# Altium PCB 28Pin-Project-V1I1-PCB.PcbDoc (part 2 of 2)
Units mm, origin at the board's own origin, x right, y up, seen from the top; angles counter-clockwise.
Board outline 68.58 x 53.34 mm, 2 copper layers (L1, L2), stack 1.671 mm thick; 106 components, 71 nets, 323 pads, 103 vias.
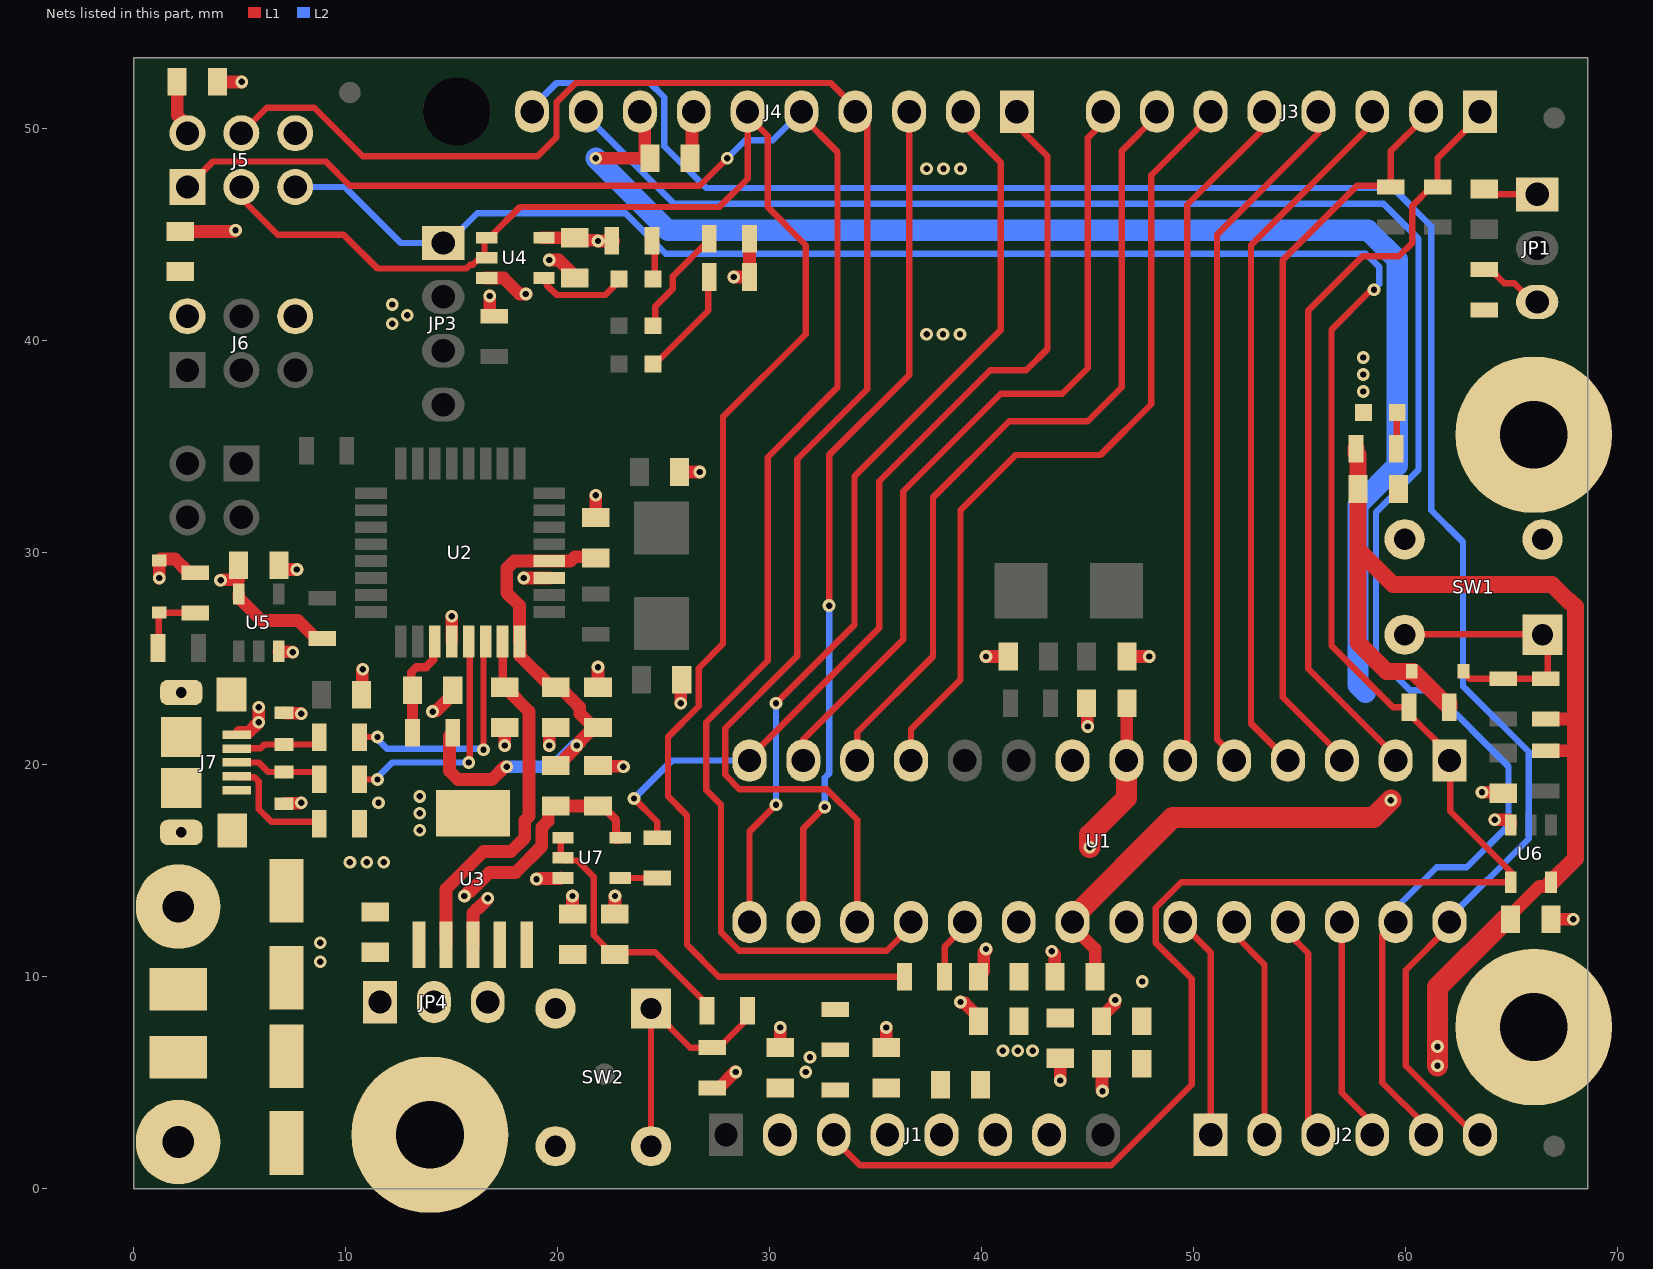
[diagram p2: the nets of this part, all layers, seen from the top]

## Via types
v1: diameter 0.6, hole 0.3, L1 to L2, tented both sides, 103 vias

## Nets (pads, with @x,y where several pads share a name; then routed paths per layer and width w, separated by ;. In a path a pad name is that pad's centre, name@x,y a point inside that pad or via, vN(x,y) a via of type N, cw(c..) or ccw(c..) an arc to the next point about the centre after c; other vN are vias at no path point) (continued)
328P_RESETn: J1.3 J5.5 JP3.1 R14.1 U1.1 U6.4 | length 133.3
  L1 w0.3: J1.3@33.02,2.54 33.02,2.34 34.26,1.1 46.106,1.1 49.9,4.894 49.9,9.9 48.215,11.585 48.215,13.25 49.415,14.45 U6.4@64.95,14.45 64.95,14.95 62.1,17.8 62.1,20.158 U1.1@62.065,20.193 62.065,20.485 60.15,22.4 R14.1@60.15,22.7 59.4,22.7 56.5,25.6 56.5,40.519 58.381,42.4 v1(58.5,42.4)
  L2 w0.3: J5.5@7.62,47.244 9.956,47.244 12.6,44.6 JP3.1@14.6,44.6 14.8,44.6 16.2,46 23.198,46 25.098,44.1 58.119,44.1 58.75,43.469 58.75,42.65 v1(58.5,42.4)
+3V3: C13.2 C16.2 J1.4 JP4.3 R28.2 U3.4 U3.5
+3V3_16U2_UCAP: C7.1 R26.1 U2.27 | length 5
  L1 w0.4: C7.1@13.15,23.5 13.1,23.55 13.1,24.366 13.334,24.6 13.791,24.6 14.125,24.934 14.125,25.725 U2.27@14.2,25.8
  L1 w0.5: R26.1@13.15,21.5 C7.1@13.15,23.5
+5V: C2.1 C6.2 C12.2 C14.2 J1.5 J8.1 JP4.1 L1.2 R27.1 U2.31 U3.1 U3.2 | length 17.2
  L1 w0.4: C6.2@17.4,23.8 U2.31@17.4,25.8
  L1 w0.6: U3.2@14.73,11.5 14.73,14.13 16.5,15.9 17.8,15.9 18.45,16.55 18.45,17.363 18.65,17.563 18.65,22.507 17.55,23.607 17.55,23.65 C6.2@17.4,23.8
+5V/3V3: C8.2 C15.2 C17.2 C26.2 C28.2 C29.2 C30.2 C34.2 D5.1 D6.1 FB1.1 FB2.1 FB3.1 J1.2 J5.2 J6.2 JP4.2 R1.2 R2.1 R3.1 R4.2 R14.2 R15.1 R17.1 R18.2 R19.2 R20.2 R21.2 R27.2 R28.1 U4.5 U5.5 U6.5 U7.5 | length 86.6
  L1 w0.4: C29.2@22.1,18.05 22.75,17.4 U7.5@22.75,16.575
  L1 w0.6: v1(1.2,28.8) D5.1@1.2,29.619 1.279,29.699 1.799,29.699 1.8,29.7 1.95,29.7 2.6,29.05 R19.2@2.9,29.05 ; C17.2@2.05,52.2 2.05,50.626 2.54,50.136 J5.2@2.54,49.784 ; v1(4.1,28.7) 4.125,28.725 4.95,28.725 ; U5.5@4.95,28.05 4.95,27.875 6.025,26.8 7.75,26.8 8.6,25.95 R4.2@8.9,25.95 ; v1(15.6,13.8) 15.8,14 15.869,14 16.784,14.916 18.016,14.916 19.25,16.15 19.25,17.032 19.55,17.332 19.55,17.9 19.7,18.05 FB1.1@19.9,18.05 C29.2@21.9,18.05 C29.2@22.1,18.05 ; v1(16.8,42.1) 16.8,41.3 16.95,41.15 R1.2@17,41.15 ; U4.5@19.25,44.85 U4.5@19.35,44.85 C26.2@20.8,44.85 20.9,44.85 21.012,44.738 21.862,44.738 v1(21.9,44.7) R15.1@22.55,44.7 R15.1@22.65,44.7 ; U7.5@22.75,16.575 22.775,16.55 U7.5@22.95,16.55 ; R21.2@27.3,4.75 27.6,4.75 28.35,5.5 v1(28.4,5.5) ; v1(28.3,43) R3.1@29.05,43 R2.1@29.05,44.8 ; v1(43.7,5.1) FB3.1@43.7,6.15 ; FB2.1@45.65,5.9 45.675,5.875 45.675,4.625 v1(45.7,4.6) ; C28.2@64.7,12.7 C28.2@64.95,12.7 64.95,12.9 66.3,14.25 66.825,14.25 66.85,14.275 U6.5@66.85,14.45 ; R18.2@66.9,20.65 68,20.65 68.1,20.65 ; R20.2@66.9,22.15 68,22.15 68.1,22.15
  L1 w0.8: R17.1@57.65,34.9 57.65,34.7 57.75,34.6 C34.2@57.75,33 57.75,30.15 ; R14.2@62.05,22.7 62.05,22.9 62,22.95 61.8,22.95 60.35,24.4 D6.1@60.281,24.4 59.1,24.4 57.75,25.75 57.75,30.15 ; U6.5@66.85,14.45 66.875,14.45 68,15.575 68,20.65 68,22.15 68,27.449 67.749,27.7 67.7,27.7 66.9,28.5 59.4,28.5 57.75,30.15
  L1 w1: v1(61.5,5.8) v1(61.5,6.7) 61.5,9.5 C28.2@64.7,12.7
  other v1: 31.7,5.5 31.9,6.2 12.2,40.8 12.9,41.2 12.2,41.7
+5V/3V3_16U2: C3.2 C4.2 C5.2 FB1.2 R26.2 U2.4 U2.32 | length 25.5
  L1 w0.6: R26.2@15.05,21.5 14.9,21.35 14.9,19.7 15.3,19.3 16.9,19.3 17.5,19.9 v1(17.6,19.9) ; FB1.2@19.8,19.95 FB1.2@19.9,19.95 20,19.95 20.9,20.85 v1(20.9,20.9) 21.05,21.05 21.05,21.1 C4.2@21.7,21.75 ; C5.2@21.8,29.7 21.7,29.8 20.8,29.8 20.6,29.6 U2.4@19.6,29.6 17.951,29.6 17.6,29.249 17.6,28.1 18.2,27.5 U2.32@18.2,25.8 18.225,25.775 18.225,25.125 19.7,23.65 C3.2@19.9,23.65 20.1,23.65 20.674,23.076 20.674,23.069 21.043,22.7 21.043,22.407 C4.2@21.7,21.75 ; C4.2@21.9,21.75 C4.2@21.7,21.75
  L2 w0.6: v1(17.6,19.9) 19.8,19.9 20.8,20.9 v1(20.9,20.9)
+5V/3V3_328P_AVCC: C22.2 C23.2 FB3.2 U1.20
+5V/3V3_328P_VCC: C19.2 C20.2 FB2.2 U1.7 | length 7.5
  L1 w0.6: U1.7@46.837,20.206 C20.2@46.837,22.887
  L1 w1: v1(45.1,16.1) 45.1,16.7 46.825,18.425 U1.7@46.825,20.193 U1.7@46.837,20.206
  other v1: 47.569,9.769
+5V_USB: C1.1 J7.1 L1.1 | length 1.8
  L1 w0.6: J7.1@4.98,21.52 5.42,21.52 v1(5.9,22) v1(5.9,22.7)
  other v1: 8.8,10.7 8.8,11.6
+AREF: C21.2 C24.2 J4.8 U1.21 | length 86.8
  L1 w0.6: v1(21.8,48.6) C21.2@24.35,48.6 24.106,48.844 24.106,50.57 J4.8@23.876,50.8 ; U1.21@44.285,12.573 44.285,12.373 45.35,11.308 C24.2@45.35,10
  L1 w1: U1.21@44.285,12.573 44.285,12.773 49.012,17.5 58.475,17.5 v1(59.3,18.325)
  L2 w0.5: 58.1,23.4 58.275,23.225
  L2 w1: v1(21.8,48.6) 25.2,45.2 58.221,45.2 59.6,43.821 59.6,34.102 57.75,32.252 57.75,23.75 58.1,23.4
AD0: J2.1 U1.23 | length 10.6
  L1 w0.3: U1.23@49.365,12.573 50.8,11.138 J2.1@50.8,2.54
AD1: J2.2 U1.24 | length 10.6
  L1 w0.3: U1.24@51.905,12.573 51.905,11.995 53.34,10.56 J2.2@53.34,2.54
AD2: J2.3 U1.25 | length 10.6
  L1 w0.3: U1.25@54.445,12.573 54.445,12.055 55.4,11.1 55.4,3.02 J2.3@55.88,2.54
AD3: J2.4 U1.26 | length 10.6
  L1 w0.3: U1.26@56.985,12.573 56.985,4.515 58.42,3.08 J2.4@58.42,2.54
AD4/SDA: J2.5 J4.9 U1.27 | length 92.3
  L1 w0.3: U1.27@59.525,12.573 58.9,11.948 58.9,5 60.96,2.94 J2.5@60.96,2.54
  L2 w0.3: J4.9@21.336,50.8 21.336,50.6 25.486,46.45 58.95,46.45 60.6,44.8 60.6,33.9 58.6,31.9 58.6,25.1 60.2,23.5 61.262,23.5 64.85,19.912 64.85,17.131 62.884,15.164 61.464,15.164 59.525,13.225 U1.27@59.525,12.573
AD5/SCL: J2.6 J4.10 U1.28 | length 96
  L1 w0.3: U1.28@62.065,12.573 62.065,12.373 60,10.308 60,5.8 63.26,2.54 J2.6@63.5,2.54
  L2 w0.3: J4.10@18.796,50.8 18.796,51 19.946,52.15 24.352,52.15 25.026,51.476 25.026,49.174 27,47.2 59.4,47.2 61.2,45.4 61.2,32 62.7,30.5 62.7,23.7 65.8,20.6 65.8,16.508 62.065,12.773 U1.28@62.065,12.573
BUTTON_RESETn: D6.2 R20.1 R24.1 SW1.1 SW1.2 | length 13.1
  L1 w0.3: SW1.2@60.05,26.15 SW1.1@66.55,26.15 ; D6.2@62.719,24.4 62.719,24.336 63.006,24.05 R24.1@64.6,24.05 R20.1@66.6,24.05 66.9,24.05 66.7,24.25 66.7,25.9 SW1.1@66.95,26.15
CON_USB_N: J7.2 R6.1 Z1.2 | length 4.1
  L1 w0.3: J7.2@4.87,20.75 4.892,20.772 5.995,20.772 6.172,20.95 Z1.2@7.1,20.95 8.45,20.95 8.65,21.15 R6.1@8.65,21.3
CON_USB_P: J7.3 R7.1 Z2.2 | length 4.2
  L1 w0.3: J7.3@4.87,20.1 5.9,20.1 6.35,19.65 Z2.2@7.1,19.65 8.45,19.65 8.65,19.45 R7.1@8.65,19.3
GND: C1.2 C2.2 C3.1 C4.1 C5.1 C6.1 C7.2 C8.1 C9.1 C10.1 C12.1 C13.1 C14.1 C15.1 C16.1 C17.1 C19.1 C20.1 C21.1 C22.1 C23.1 C24.1 C25.1 C26.1 C27.1 C28.1 C29.1 C30.1 C31.1 C32.1 C33.1 C34.1 D1.1 J1.6 J1.7 J4.7 J5.6 J6.6 J7.5 J7.6 J7.7 J7.8 J7.9 J7.10 J7.11 J9.1 MH1.1 MH2.1 MH3.1 R8.2 R12.1 SW1.3 SW1.4 SW2.3 SW2.4 U1.8 U1.22 U2.3 U2.28 U3.3 U3.6 U4.3 U5.3 U6.3 U7.3 Z1.1 Z2.1 | length 44.6
  L1 w0.6: C8.1@2.2,45.15 4.75,45.15 v1(4.8,45.2) ; C17.1@3.95,52.2 v1(5.1,52.2) ; U5.3@6.85,25.35 6.875,25.325 7.475,25.325 v1(7.5,25.3) ; C30.1@6.85,29.4 7.05,29.2 v1(7.7,29.2) ; Z2.1@7.1,18.15 7.125,18.175 7.875,18.175 v1(7.9,18.2) ; Z1.1@7.1,22.45 7.125,22.425 7.875,22.425 v1(7.9,22.4) ; C31.1@10.75,23.3 10.775,23.325 10.775,24.475 v1(10.8,24.5) ; v1(14.1,22.5) 14.138,22.538 14.288,22.538 15.05,23.3 C7.2@15.05,23.5 ; U2.28@15,25.8 v1(15,27) ; U3.3@16,11.5 16,13 16.2,13.2 16.231,13.2 16.7,13.669 v1(16.7,13.7) ; U4.3@16.55,42.95 U4.3@16.65,42.95 17.45,42.95 18.2,42.2 v1(18.5,42.2) ; v1(17.5,20.9) 17.5,21.65 C6.1@17.6,21.75 ; v1(18.4,28.8) U2.3@19.6,28.8 ; v1(19,14.6) 19.131,14.6 19.156,14.625 20.125,14.625 U7.3@20.15,14.65 ; v1(19.6,20.9) 19.6,21.55 C3.1@19.8,21.75 ; v1(19.6,43.8) 20.05,43.8 C26.1@20.9,42.95 ; C13.1@20.7,12.95 v1(20.7,13.8) ; C5.1@21.8,31.65 v1(21.8,32.7) ; C29.1@21.9,19.95 21.925,19.925 23.075,19.925 v1(23.1,19.9) ; C4.1@21.9,23.65 v1(21.9,24.6) ; C33.1@22.7,12.95 v1(22.7,13.8) ; C9.1@25.75,33.8 v1(26.7,33.8) ; v1(25.8,22.9) 25.8,23.95 C10.1@25.85,24 ; C21.1@26.25,48.6 26.333,48.683 26.333,50.717 J4.7@26.416,50.8 ; C15.1@30.5,6.65 v1(30.5,7.6) ; C16.1@35.5,6.65 v1(35.5,7.6) ; v1(39,8.8) 39.038,8.762 39.188,8.762 39.85,8.1 C22.1@39.85,7.9 ; C23.1@39.85,10 40.1,10.25 40.1,11.146 40.2,11.246 v1(40.2,11.3) ; v1(40.2,25.1) C25.1@41.25,25.1 ; v1(43.3,11.2) 43.45,11.05 C24.1@43.45,10 ; C20.1@44.95,22.9 44.975,22.875 44.975,21.825 v1(45,21.8) ; C19.1@45.65,7.9 45.65,8.1 46.262,8.712 46.262,8.862 v1(46.3,8.9) ; C27.1@46.85,25.1 v1(47.9,25.1) ; v1(63.6,18.7) 64.85,18.7 C32.1@64.9,18.65 ; v1(64.2,17.4) 64.875,17.4 64.95,17.325 U6.3@64.95,17.15 ; C28.1@66.85,12.7 v1(67.9,12.7)
  other v1: 41,6.5 41.7,6.5 42.4,6.5 10.2,15.4 11,15.4 11.8,15.4 13.5,16.9 13.5,17.7 11.55,18.2 13.5,18.5 58,37.6 58,38.4 58,39.2 37.4,40.3 38.175,40.3 38.975,40.3 37.4,48.1 38.2,48.1 39,48.1
IO0: J3.1 R10.2 U1.2 | length 36.9
  L1 w0.3: U1.2@59.525,20.193 59.525,20.393 55.4,24.518 55.4,41.419 57.959,43.978 59.678,43.978 60.3,44.6 60.3,46.35 61.2,47.25 R10.2@61.5,47.25 61.5,48.6 63.5,50.6 J3.1@63.5,50.8
IO1: J3.2 R11.2 U1.3 | length 35.5
  L1 w0.3: U1.3@56.985,20.193 56.985,20.393 54.2,23.178 54.2,43.8 57.7,47.3 59.3,47.3 59.3,48.94 60.96,50.6 J3.2@60.96,50.8
IO2: J3.3 U1.4 | length 33.7
  L1 w0.3: U1.4@54.445,20.193 52.7,21.938 52.7,44.5 58.42,50.22 J3.3@58.42,50.8
IO3: J3.4 U1.5 | length 32.9
  L1 w0.3: U1.5@51.905,20.193 51.905,20.393 51.1,21.198 51.1,45 55.88,49.78 J3.4@55.88,50.8
IO4: J3.5 U1.6 | length 32.3
  L1 w0.3: U1.6@49.365,20.193 49.7,20.528 49.7,46.4 53.34,50.04 J3.5@53.34,50.8
IO5: J3.6 U1.11 | length 38.8
  L1 w0.3: U1.11@36.665,20.193 36.665,21.665 39,24 39,32 41.6,34.6 45.6,34.6 48,37 48,47.8 50.8,50.6 J3.6@50.8,50.8
IO6: J3.7 U1.12 | length 38.6
  L1 w0.3: U1.12@34.125,20.193 34.125,21.525 37.7,25.1 37.7,32.6 41.3,36.2 45,36.2 46.6,37.8 46.6,48.94 48.26,50.6 J3.7@48.26,50.8
IO7: J3.8 U1.13 | length 38.2
  L1 w0.3: U1.13@31.585,20.193 31.585,21.185 36.3,25.9 36.3,32.9 40.9,37.5 43.8,37.5 45,38.7 45,49.552 45.72,50.272 J3.8@45.72,50.8
IO8: J4.1 R22.2 U1.14 | length 46.5
  L1 w0.3: v1(23.6,18.4) 24.7,17.3 R22.2@24.7,16.55 ; U1.14@29.045,20.193 29.045,20.326 35.165,26.446 35.165,33.365 40.4,38.6 42.1,38.6 43.1,39.6 43.1,48.7 41.656,50.144 J4.1@41.656,50.8
  L2 w0.3: v1(23.6,18.4) 25.393,20.193 U1.14@29.045,20.193
IO9: J4.2 U1.15 | length 43.9
  L1 w0.3: U1.15@29.045,12.573 29.045,16.845 v1(30.3,18.1) ; v1(30.3,22.9) 34,26.6 34,33.6 40.9,40.5 40.9,48.4 39.116,50.184 J4.2@39.116,50.8
  L2 w0.3: v1(30.3,18.1) v1(30.3,22.9)
MISO: J4.5 J5.1 U1.18 | length 83.6
  L1 w0.3: J5.1@2.54,47.244 3.74,48.444 9.056,48.444 10.2,47.3 26.7,47.3 v1(28,48.6) ; J4.5@31.496,50.8 31.496,50.6 33.2,48.896 33.2,37.8 29.9,34.5 29.9,24.9 27,22 27,18.8 27.7,18.1 27.7,12.092 28.569,11.223 35.515,11.223 36.665,12.373 U1.18@36.665,12.573
  L2 w0.3: v1(28,48.6) 28.85,49.45 30.146,49.45 J4.5@31.496,50.8
MOSI: J4.4 J5.4 U1.17 | length 79.7
  L1 w0.3: J5.4@5.08,49.784 6.28,50.984 8.516,50.984 10.8,48.7 19.05,48.7 19.946,49.596 19.946,51.236 20.86,52.15 32.886,52.15 34.036,51 J4.4@34.036,50.8 34.6,50.236 34.6,37.7 31.3,34.4 31.3,25.119 27.895,21.714 27.895,19.517 28.569,18.843 32.676,18.843 34.125,17.394 U1.17@34.125,12.573
NetC11_2: C11.2 JP1.1 | length 2.6
  L1 w0.3: C11.2@63.7,47.15 63.95,46.9 JP1.1@66.2,46.9
NetD1_2: D1.2 R17.2 | length 1.7
  L1 w0.3: R17.2@59.55,34.9 59.575,34.925 59.575,36.575 D1.2@59.6,36.6
NetD2_1: D2.1 U4.4 | length 4.6
  L1 w0.3: U4.4@19.25,42.95 U4.4@19.35,42.95 19.475,42.95 19.475,42.625 19.95,42.15 22.25,42.15 D2.1@23,42.9
NetD2_2: D2.2 R15.2 | length 1.8
  L1 w0.3: R15.2@24.55,44.7 24.575,44.675 24.575,42.925 D2.2@24.6,42.9
NetD3_2: D3.2 R2.2 | length 5.2
  L1 w0.3: D3.2@24.6,40.7 24.6,41.605 25.425,42.43 25.425,43.025 R2.2@27.2,44.8
NetD4_2: D4.2 R3.2 | length 5.1
  L1 w0.3: D4.2@24.6,38.9 27.1,41.4 R3.2@27.1,43
NetD5_2: D5.2 R19.1 R23.1 | length 3.4
  L1 w0.3: R23.1@1.15,25.5 1.175,25.525 1.175,27.156 D5.2@1.2,27.181 1.215,27.165 2.885,27.165 R19.1@2.9,27.15
NetJ7_4: J7.4 R8.1 | length 5.4
  L1 w0.3: J7.4@4.87,19.45 4.92,19.4 5.7,19.4 5.9,19.2 5.9,17.9 6.5,17.3 R8.1@8.65,17.3
NetJP1_3: JP1.3 R12.2 | length 3.1
  L1 w0.3: R12.2@63.7,43.35 64,43.35 64.646,42.704 65.116,42.704 66,41.82 JP1.3@66.2,41.82
NetR22_1: R22.1 U7.4 | length 1.8
  L1 w0.3: U7.4@22.85,14.65 R22.1@24.7,14.65
SCK: J4.6 J5.3 R13.2 U4.1 U4.2 | length 85.4
  L1 w0.3: J5.3@5.08,47.244 5.08,46.72 6.8,45 9.9,45 11.5,43.4 15.695,43.4 15.87,43.575 16,43.575 16.325,43.9 16.55,43.9 16.55,44.85 U4.1@16.65,44.85 16.775,44.85 18.225,46.3 27.619,46.3 28.956,47.637 J4.6@28.956,50.6 ; J4.6@28.956,50.8 J4.6@28.956,50.6 ; R13.2@36.35,10 27.6,10 26.1,11.5 26.1,17.6 25.2,18.5 25.2,21.3 26.65,22.75 26.65,24.55 27.8,25.7 27.8,36.4 31.7,40.3 31.7,44.5 29.9,46.3 29.9,49.656 J4.6@28.956,50.6
SCK_R: R13.1 U1.19 | length 3
  L1 w0.3: R13.1@38.25,10 38.25,11.418 39.205,12.373 U1.19@39.205,12.573
SS: J4.3 U1.16 | length 40.3
  L1 w0.3: U1.16@31.585,12.573 31.585,16.985 v1(32.6,18) ; v1(32.8,27.5) 32.8,34.6 36.576,38.376 J4.3@36.576,50.8
  L2 w0.3: v1(32.6,18) 32.6,19.382 32.8,19.582 v1(32.8,27.5)
USB_N: R6.2 U2.30 | length 11.4
  L1 w0.3: R6.2@10.65,21.3 v1(11.5,21.3) ; v1(16.5,20.7) 16.5,25.7 U2.30@16.6,25.8
  L2 w0.3: v1@11.4,21.3 11.95,20.75 16.423,20.75 v1@16.473,20.7 ; v1@16.4,20.627 v1@16.473,20.7 ; v1(16.5,20.7) v1@16.473,20.7
USB_P: R7.2 U2.29 | length 11.3
  L1 w0.3: R7.2@10.65,19.3 v1(11.5,19.3) ; v1(15.8,20.1) 15.85,20.15 15.85,25.75 U2.29@15.8,25.8
  L2 w0.3: v1@11.4,19.3 12.2,20.1 v1(15.8,20.1)
USER_BUTTON: R21.1 R25.1 SW2.1 SW2.2 | length 12.8
  L1 w0.3: SW2.2@24.4,2 SW2.1@24.4,8.5 26.25,6.65 R21.1@27.3,6.65 27.6,6.65 28.75,7.8 28.75,8.2 R25.1@28.95,8.4
USER_BUTTON_BUF: C33.2 R25.2 U7.1 U7.2 | length 12.6
  L1 w0.3: U7.1@20.15,16.55 20.15,15.6 20.275,15.475 20.925,15.475 21.7,14.7 21.7,11.95 22.5,11.15 24.6,11.15 27.05,8.7 R25.2@27.05,8.4
pads on no net: FID1.1 FID2.1 FID3.1 FID4.1 J1.1 J1.8 MH4.1 U2.5 U2.6 U2.7 U2.12 U2.14 U2.22 U2.23 U2.25 U2.26

## Polygon pours and split planes (outlines as drawn)
GND on L2 "L2-GND" (solid, remove dead copper, pour order 20): 0.3,53.2 0.3,51.2 5.5,51.2 5.5,45.9 4,45.9 4,43.9 5.5,42.4 5.5,23.5 7.5,23.5 7.5,17.988 7.9,17.588 7.912,17.6 9.6,17.6 9.6,14.7 16.2,14.7 16.2,13.2 24.1,13.2 30.265,7.035 39.71,7.09 41,5.8 52.6,5.8 54.5,7.7 61.6,7.7 62.3,7 62.3,5.1 62.3,0.3 68.3,0.3 68.3,13.6 68.2,13.6 68,13.6 63.9,13.6 63.9,12.6 62.4,11.1 58.5,11.1 58.5,13.1 60.8,15.4 62.8,15.4 64.6,17.2 64.6,19.1 61.3,19.1 61.3,17.4 60.8,17.4 58.8,17.4 57.4,18.8 57.4,31.3 58.8,32.7 58.8,40.8 20,40.8 20,44.4 17.9,44.4 17.9,38.9 17,38 12.9,38 12.9,38.1 11.1,39.9 11.1,53.2
+AREF on L2 "L2-+AREF" (solid, remove dead copper, pour order 54): 57.8,18.9 58.8,17.9 60.7,17.9 61,18.2 61,22.1 57.8,25.2 57.8,24.1
GND on L2 "L2-GND 1" (solid, remove dead copper, pour order 18): 68.551,53.218 68.551,47.218 28.051,47.218 25.351,49.918 25.351,53.218
+5V/3V3 on L2 "L2-+5V/3V3" (solid, remove dead copper, pour order 16): 15.1,44.1 11.7,44.1 11.7,40.1 13.6,38.2 16.9,38.2 17.9,39.2 17.9,44.4 20.3,44.4 20.3,42 30,42 30,43.7 24.2,43.7 22.3,45.6 16.6,45.6
+5V/3V3_328P_VCC on L2 "L2-+5V/3V3_328P_VCC" (solid, remove dead copper, pour order 0): 44.517,14 47.6,14 47.6,11.8 47.2,11.4 47.2,9.4 50.8,9.4 50.8,15.3 46.406,15.3 45.5,16.7 44.517,16.7
+5V/3V3 on L2 "L2-+5V/3V3 1" (solid, remove dead copper, pour order 14): 0.3,5.8 6.8,5.8 10.4,9.4 10.4,10.1 12.8,10.1 12.8,7.6 15.4,7.6 15.4,10.3 16.5,11.4 21.9,11.4 23.5,9.8 25.6,9.8 25.6,7.8 28.3,5.1 35.8,5.1 36.7,4.2 39.55,4.2 39.55,0.3 62.1,0.3 62.1,6.7 61.4,7.4 54.4,7.4 52.7,5.7 41,5.7 39.6,7.1 30.1,7.1 24.1,13.1 16.1,13.1 16.1,14.3 9.5,14.3 9.5,10.1 7.8,10.1 7.8,14.8 5.6,17 5.6,20.6 5.271,20.929 5.271,30.129 5.19,41.89 4,43.08 4,50.9 0.3,50.9
+5V_USB on L2 "L2-+5V_USB" (solid, remove dead copper, pour order 6): 5.5,23.1 5.5,21.2 5.9,20.8 5.9,17.1 8.1,14.9 8.1,10.4 9.2,10.4 9.2,17.6 7.5,17.6 7.3,17.8 7.3,23.1
+3V3 on L2 "L2-+3V3" (solid, remove dead copper, pour order 12): 7,21.7
+3V3 on L2 "L2-+3V3 1" (solid, remove dead copper, pour order 8): 7,21.7
+3V3 on L2 "L2-+3V3 2" (solid, remove dead copper, pour order 4): 15.7,7.8 15.7,10.2 16.6,11.1 21.8,11.1 28,4.9 35.6,4.9 36.6,3.9 36.6,1.6 34.5,1.6 34.5,3.3 34,3.8 23.7,3.8 19.7,7.8
+5V on L2 "L2-+5V" (solid, remove dead copper, pour order 2): 0.3,0.3 0.3,5.5 7.1,5.5 10.8,9.2 10.8,9.8 12.4,9.8 12.4,7.3 19.6,7.3 23.4,3.5 26.4,3.5 26.4,1.3 37,1.3 37,3.8 39.2,3.8 39.2,0.3
GND on L1 "L1-GND" (solid, remove dead copper, pour order 52): 0.3,10.7 3.4,10.7 4.5,11.8 7.8,11.8 8.5,12.5 9.5,12.5 9.5,10.5 8.2,9.2 8.2,8 4,8 4,4 8.3,4 8.3,0.3 21.5,0.3 21.5,2.7 20.7,3.5 20.7,7.6 21.1,8 21.6,8.5 21.6,10 18.9,10 18.9,7.5 10.8,7.5 10.5,7.8 10.5,11.9 11.1,12.5 12.3,12.5 12.3,12.9 16,16.6 17.6,16.6 17.6,18.7 17.7,18.8 11.6,18.8 10.7,17.9 10.3,17.9 10.3,16.5 10,16.2 6.9,16.2 5.4,17.7 5.5,17.8 5.5,19 3.6,19 3.4,19.2 3.4,22.5 5.3,22.5 5.2,22.6 5.2,24.1 0.1,24.1 0.3,23.9
GND on L1 "L1-GND 1" (solid, remove dead copper, pour order 50): 39.4,39.4 39.4,49.4 37,49.4 37,39.4
GND on L1 "L1-GND 2" (solid, remove dead copper, pour order 48): 59.8,29.2 68.4,29.2 68.4,40.6 65.7,40.6 64.5,41.8 61.7,41.8 60.8,40.9 58,40.9 57.2,40.1 57.2,37.3 57.6,36.9 58.4,36.9 58.4,37 58.6,37.2 60.4,37.2 60.4,33.7 59.2,33.7 59.2,31.3 59,31.1 59,30
+5V/3V3_328P_VCC on L1 "L1-+5V/3V3_328P_VCC" (solid, remove dead copper, pour order 46): 47.1,5.2 47.1,10.3 48.7,10.3 48.7,5.2
+5V/3V3_328P_AVCC on L1 "L1-+5V/3V3_328P_AVCC" (solid, remove dead copper, pour order 44): 42.6,13.6 42.6,8.5 44.3,8.5 44.3,7.5 41.3,7.5 41.3,10.7 40.9,11.1 40.9,13.6
GND on L1 "L1-GND 3" (solid, remove dead copper, pour order 42): 39.5,1.6 39.5,5.5 40.9,6.9 42.7,6.9 42.7,5.2 44.2,3.7 44.2,1.6
+5V on L1 "L1-+5V" (solid, remove dead copper, pour order 40): 37,6.8
+5V on L1 "L1-+5V 1" (solid, remove dead copper, pour order 38): 37,1.6 39.2,1.6 39.1,1.7 39.1,7.4 37.4,9.1 32.4,9.1 32.4,8.2 35.9,8.2 37,7.1
+3V3 on L1 "L1-+3V3" (solid, remove dead copper, pour order 36): 34.5,1.6 36.6,1.6 36.6,5.2 32.8,5.2 32.4,4.8 32.4,4.3 33.1,4.3 34.5,2.9
+5V/3V3 on L1 "L1-+5V/3V3" (solid, remove dead copper, pour order 34): 29.6,1.4 31.6,1.4 31.6,4.5 33.3,6.2 33.8,6.2 33.8,6.9 31.4,6.9 31.4,6.1 30.5,5.2 29.6,5.2
+5V/3V3 on L1 "L1-+5V/3V3 1" (solid, remove dead copper, pour order 32): 0.3,40.2 0.3,43.8 10.3,43.8 11.9,42.2 13.3,42.2 13.3,40.2 8.8,40.2 8.8,42.3 3.9,42.3 3.9,40.2
+5V on L1 "L1-+5V 2" (solid, remove dead copper, pour order 30): 10.8,7.8 10.8,11.6 12.2,11.6 13.2,12.6 15,12.6 15,10.4 13,10.4 12.4,9.8 12.4,7.8
+3V3 on L1 "L1-+3V3 1" (solid, remove dead copper, pour order 26): 15.7,7.8 18.6,7.8 18.6,10.3 21.5,10.3 21.5,11.5 19.9,11.5 18.8,12.6 17,12.6 17,10.4 16.7,10.1 15.7,10.1
+5V_USB on L1 "L1-+5V_USB" (solid, remove dead copper, pour order 24): 0.3,8.4 8,8.4 8,9.3 9.1,10.4 9.1,12.1 8.5,12.1 7.9,11.5 4.5,11.5 3.4,10.4 0.3,10.4
+5V on L1 "L1-+5V 3" (solid, remove dead copper, pour order 22): 0.3,0.3 0.3,7.2 3.4,7.2 3.4,3.7 8,3.7 8,0.3

## Silkscreen, mask and mechanical layers (free items; w line width, h text height)
Top Overlay:
  lines w0.2: 4.2,28.5 4.475,28.5 ; 5.425,28.5 6.35,28.5 ; 7.325,28.5 7.6,28.5 ; 19.925,42.2 19.925,42.475 ; 19.925,43.45 19.925,44.35 ; 19.925,45.35 19.925,45.6 20,45.6
  text "ICSP" at 5.4,51.4 h1
  text "ICSP1" at 4.5,42.8 h1
  text "U" at 25.5,42.2 h1
  text "'.Project'" at 36.505,41.65 h2
  text "T" at 25.5,40.2 h1
  text "based on Arduino Uno" at 31.144,38.875 h1.5
  text "R" at 25.5,38.4 h1
  text "POW" at 57.3,37.825 h1
  text "made by" at 38.175,36.675 h1.5
  text "3" at 0.3,33.8 h1
  text "'.Company'" at 32.32,33.625 h2
  text "2" at 6.7,31.3 h1
  text "4" at 0.3,31 h1
  text "RESET" at 58.5,26.4 h1 r90
  text "14" at 29.4,22 h1 r90
  text "10" at 39.8,22 h1 r90
  text "5" at 52.5,22 h1 r90
  text "16" at 31.9,9.3 h1 r90
  text "26" at 57.5,9.2 h1 r90
  text "USER" at 18.8,3.5 h1 r90
Bottom Overlay:
  lines w0.254: 11.5,32 17.5,32 ; 11.608,14.808 11.608,15.506 ; 13.5,20 13.5,34 ; 14.148,10.236 14.148,15.506 ; 15.5,20 15.5,34 ; 16.688,14.808 16.688,15.506 ; 65.5,14 67.5,14 ; 65.5,16 67.5,16 ; 65.5,18 67.5,18 ; 65.5,20 67.5,20 ; 65.5,22 67.5,22 ; 11.5,20 17.5,20 17.5,34 11.5,34 11.5,20.75 11.5,20 ; 65.5,12 67.5,12 67.5,24 65.5,24 65.5,12
  lines w0.508: 11.722,7.2 11.722,6.8 14.078,6.8 14.078,7.2 ; 12.097,15.316 13.653,15.316 ; 14.637,15.316 16.193,15.316 ; 16.1,37.022 16.5,37.022 16.5,39.378 16.1,39.378 ; 67.7,44.444 68.1,44.444 68.1,46.8 67.7,46.8
  text "AR/DF" at 66.777,52.908 h1.8 r90
  text "AD5/SCL" at 19.507,49.124 h2.2 r90
  text "AD4/SDA" at 22.047,49.124 h2.2 r90
  text "AREF" at 24.587,49.124 h2.2 r90
  text "GND" at 27.127,49.124 h2.2 r90
  text "13" at 29.667,49.124 h2.2 r90
  text "12" at 32.207,49.124 h2.2 r90
  text "11~" at 34.747,49.124 h2.2 r90
  text "10~" at 37.287,49.124 h2.2 r90
  text "9~" at 39.827,49.124 h2.2 r90
  text "8" at 42.367,49.124 h2.2 r90
  text "7" at 46.406,49.124 h2.2 r90
  text "6~" at 48.946,49.124 h2.2 r90
  text "5~" at 51.486,49.124 h2.2 r90
  text "4" at 54.026,49.124 h2.2 r90
  text "3~" at 56.566,49.124 h2.2 r90
  text "2" at 59.106,49.124 h2.2 r90
  text "1" at 61.646,49.124 h2.2 r90
  text "0" at 64.186,49.124 h2.2 r90
  text "TX (OUT)" at 61.646,47.244 h2.2 r90
  text "RX (IN)" at 64.186,47.244 h2.2 r90
  text "dW/PROG/ISP" at 12.725,46.041 h1.8 r90
  text "https://github.com/Anpokot" at 52.9,44.8 h1.6 r90
  text "BOARD VARIANT" at 11,34 h1.8 r90
  text "FIXED 5V" at 13,31.5 h1.8 r90
  text "5V / 3V3" at 15,31.5 h1.8 r90
  text "CUSTOM" at 17,31.5 h1.8 r90
  text "MODBOX" at 65,24 h1.8 r90
  text "A" at 67,23.5 h1.8 r90
  text "B" at 67,21.5 h1.8 r90
  text "C" at 67,19.5 h1.8 r90
  text "IO" at 14.834,18.009 h2.2 r90
  text "D" at 67,17.5 h1.8 r90
  text "E" at 67,15.5 h1.8 r90
  text "+5V INPUT POWER" at 5.9,15.4 h1.8 r90
  text "3.3V" at 17.4,14.6 h2.2 r90
  text "5V" at 12.37,13.513 h2.2 r90
  text "F" at 67,13.5 h1.8 r90
  text "(OPTIONAL)" at 7.9,12.5 h1.8 r90
  text "3.3/5V" at 30.967,11.177 h2.2 r90
  text "-" at 3.6,10.7 h5 r90
  text "+3.3V" at 36.241,10.065 h2.2 r90
  text "RESET" at 33.701,9.995 h2.2 r90
  text "+5V" at 38.783,7.737 h2.2 r90
  text "GND" at 41.321,7.619 h2.2 r90
  text "GND" at 43.861,7.619 h2.2 r90
  text "+" at 3.6,7.5 h5 r90
  text "NC" at 28.621,6.565 h2.2 r90
  text "NC" at 46.401,6.565 h2.2 r90
  text "A3" at 59.131,6.354 h2.2 r90
  text "A0" at 51.511,6.329 h2.2 r90
  text "A1" at 54.051,6.331 h2.2 r90
  text "A4" at 61.671,6.321 h2.2 r90
  text "A2" at 56.591,6.311 h2.2 r90
  text "A5" at 66.396,3.734 h2.2 r90
Bottom Solder:
  drawing of 2 lines, arcs and shapes, not listed
Mechanical Drawing:
  circle w1.016: c66.04,35.56 r1.6
  circle w1.016: c66.04,7.62 r1.6
  circle w1.016: c13.97,2.54 r1.6
  circle w1.016: c15.24,50.8 r1.6
  lines w1.016: 0,0 0,53.34 68.58,53.34 68.58,0 0,0
  text "Mechanical Drawing of '.Project' '.VersionRevision'" at 2.5,65 h2
  text "SCALE 1:1" at -30.1,-12.8 h2
Manufacturing Notes:
  text "Files" at 0,107.5 h1.52
  text "Board info" at 107.5,107.5 h1.52
  text "*.GTO - Top Overlay" at 0,105 h1.52
  text "Minimum Track: 200um" at 107.5,105 h1.52
  text "*.GTP - Top Paste" at 0,102.5 h1.52
  text "Minimum Gap: 200um" at 107.5,102.5 h1.52
  text "*.GTS - Top Solder" at 0,100 h1.52
  text "Minimum Through Hole VIA: 0.6mm (pad) / 0.3mm (drill). Drilling: L1-L2" at 107.5,100 h1.52
  text "*.GTL - L1" at 0,97.5 h1.52
  text "*.GBL - L2" at 0,95 h1.52
  text "1. FINISHED PANEL THICKNESS IS NOT CRITICAL: TO BE APPROXIMATELY 1.6mm" at 107.5,95 h1.52
  text "*.GBS - Bottom Solder" at 0,92.5 h1.52
  text "*.GBO - Bottom Overlay" at 0,90 h1.52
  text "2. BOARD FINISH: IMMERSION Au/ELECTROLESS Ni; 0.05-0.12 um GOLD; 3-6um NICKEL" at 107.5,90 h1.52
  text "*.GM2 - Mechanical Drawing" at 0,87.5 h1.52
  text "*.GM3 - Manufacturing Notes" at 0,85 h1.52
  text "3. SOLDER RESIST: APPLY TO BOTH SIDES COLOUR - BLUE" at 107.5,85 h1.52
  text "*.GM4 - Licence" at 0,82.5 h1.52
  text "*.GM28 - Board Outline" at 0,80 h1.52
  text "4. COMPONENT IDENT: COLOUR TO BE WHITE" at 107.5,80 h1.52
Licence:
  text "LICENCE" at 107.5,50.1 h1.52
  text "AUTHOR: Andrii Pokotiolov" at 107.7,45.6 h1.52
  text "WEBSITE: https://github.com/Anpokot" at 107.7,43.1 h1.52
  text "This is a human-readable summary of the licence. Read full licence at:" at 107.7,38.1 h1.52
  text "https://creativecommons.org/licenses/by-sa/3.0/legalcode" at 107.7,35.6 h1.52
  text "You are free to:" at 107.7,30.6 h1.52
  text "Share - copy and redistribute the material in any medium or format" at 107.7,28.1 h1.52
  text "Adapt - remix, transform, and build upon the material" at 107.7,25.6 h1.52
  text "for any purpose, even commercially." at 107.7,23.1 h1.52
  text "The licensor cannot revoke these freedoms as long as you follow the license terms." at 107.7,18.1 h1.52
  text "Under the following terms:" at 107.7,13.1 h1.52
  text "Attribution - You must give appropriate credit, provide a link to the license, and" at 107.7,10.6 h1.52
  text "indicate if changes were made. You may do so in any reasonable manner, but not in any" at 107.7,8.1 h1.52
  text "way that suggests the licensor endorses you or your use." at 107.7,5.6 h1.52
  text "ShareAlike - If you remix, transform, or build upon the material, you must distribute your" at 107.754,0.722 h1.52
  text "contributions under the same license as the original." at 107.754,-1.778 h1.52
  text "No additional restrictions - You may not apply legal terms or technological measures" at 107.5,-7.5 h1.52
  text "that legally restrict others from doing anything the license permits." at 107.5,-10 h1.52
  text "Notices:" at 107.5,-15 h1.52
  text "You do not have to comply with the license for elements of the material in the public domain or where" at 107.5,-17.5 h1.52
  text "your use is permitted by an applicable exception or limitation." at 107.5,-20 h1.52
  text "No warranties are given. The license may not give you all of the permissions necessary for your" at 107.5,-25 h1.52
  text "intended use. For example, other rights such as publicity, privacy, or moral rights may limit how you" at 107.5,-27.5 h1.52
  text "use the material." at 107.5,-30 h1.52
  text "Based on Arduino: http://www.arduino.cc/" at 107.5,-35 h1.52
Board Outline:
  the board outline again, w0.3
Top Assembly:
  text "Assembly Top of '.Project'" at 8,60 h2
  text "'.VersionRevision'" at 56.2,59.9 h2
  text "'.VariantName'" at 28,55.8 h2

## Dimensions
0,0 to 66.2,46.9 on Mechanical Drawing
0,0 to 63.5,50.8 on Mechanical Drawing
0,0 to 41.656,50.8 on Mechanical Drawing
0,0 to 66.04,7.62 on Mechanical Drawing
0,0 to 50.8,2.54 on Mechanical Drawing
0,0 to 27.94,2.54 on Mechanical Drawing
0,0 to 13.97,2.54 on Mechanical Drawing
0,0 to 2.1,2.2 on Mechanical Drawing
0,0 to 2.54,47.244 on Mechanical Drawing
0,0 to 13.97,2.54 on Mechanical Drawing
0,0 to 66.04,7.62 on Mechanical Drawing
0,0 to 2.1,13.3 on Mechanical Drawing
0,0 to 2.245,23.4 on Mechanical Drawing
0,0 to 5.08,34.2 on Mechanical Drawing
0,0 to 2.54,38.608 on Mechanical Drawing
0,0 to 2.54,47.244 on Mechanical Drawing
0,0 to 15.24,50.8 on Mechanical Drawing
0,0 to 68.58,0 on Mechanical Drawing
0,0 to 0,53.34 on Mechanical Drawing

## Text inside footprints (layer, text, board x,y; h text height)
J1: Top Overlay "1" at 28.4,0.6 h1 r90
J2: Top Overlay "1" at 51.3,0.6 h1 r90
J3: Top Overlay "1" at 63.9,52.5 h1 r90
J4: Top Overlay "1" at 42.1,52.5 h1 r90
J5: Top Overlay "1" at 0.6,46.2 h1
J6: Top Overlay "1" at 0.6,38.1 h1
JP1: Top Overlay "1" at 67.8,46.5 h1
JP2: Top Overlay "1" at 6.7,33.8 h1
JP3: Top Overlay "1" at 12.2,44.4 h1
JP4: Top Overlay "1" at 9.7,8.1 h1